# Altium PCB Lora_receiver.PcbDoc
Units mil, origin at the board's own origin, x right, y up, seen from the top; angles counter-clockwise.
Board outline 6000 x 4000 mil, 2 copper layers (Top Layer, Bottom Layer); 2 components, 13 nets, 50 pads, 0 vias.
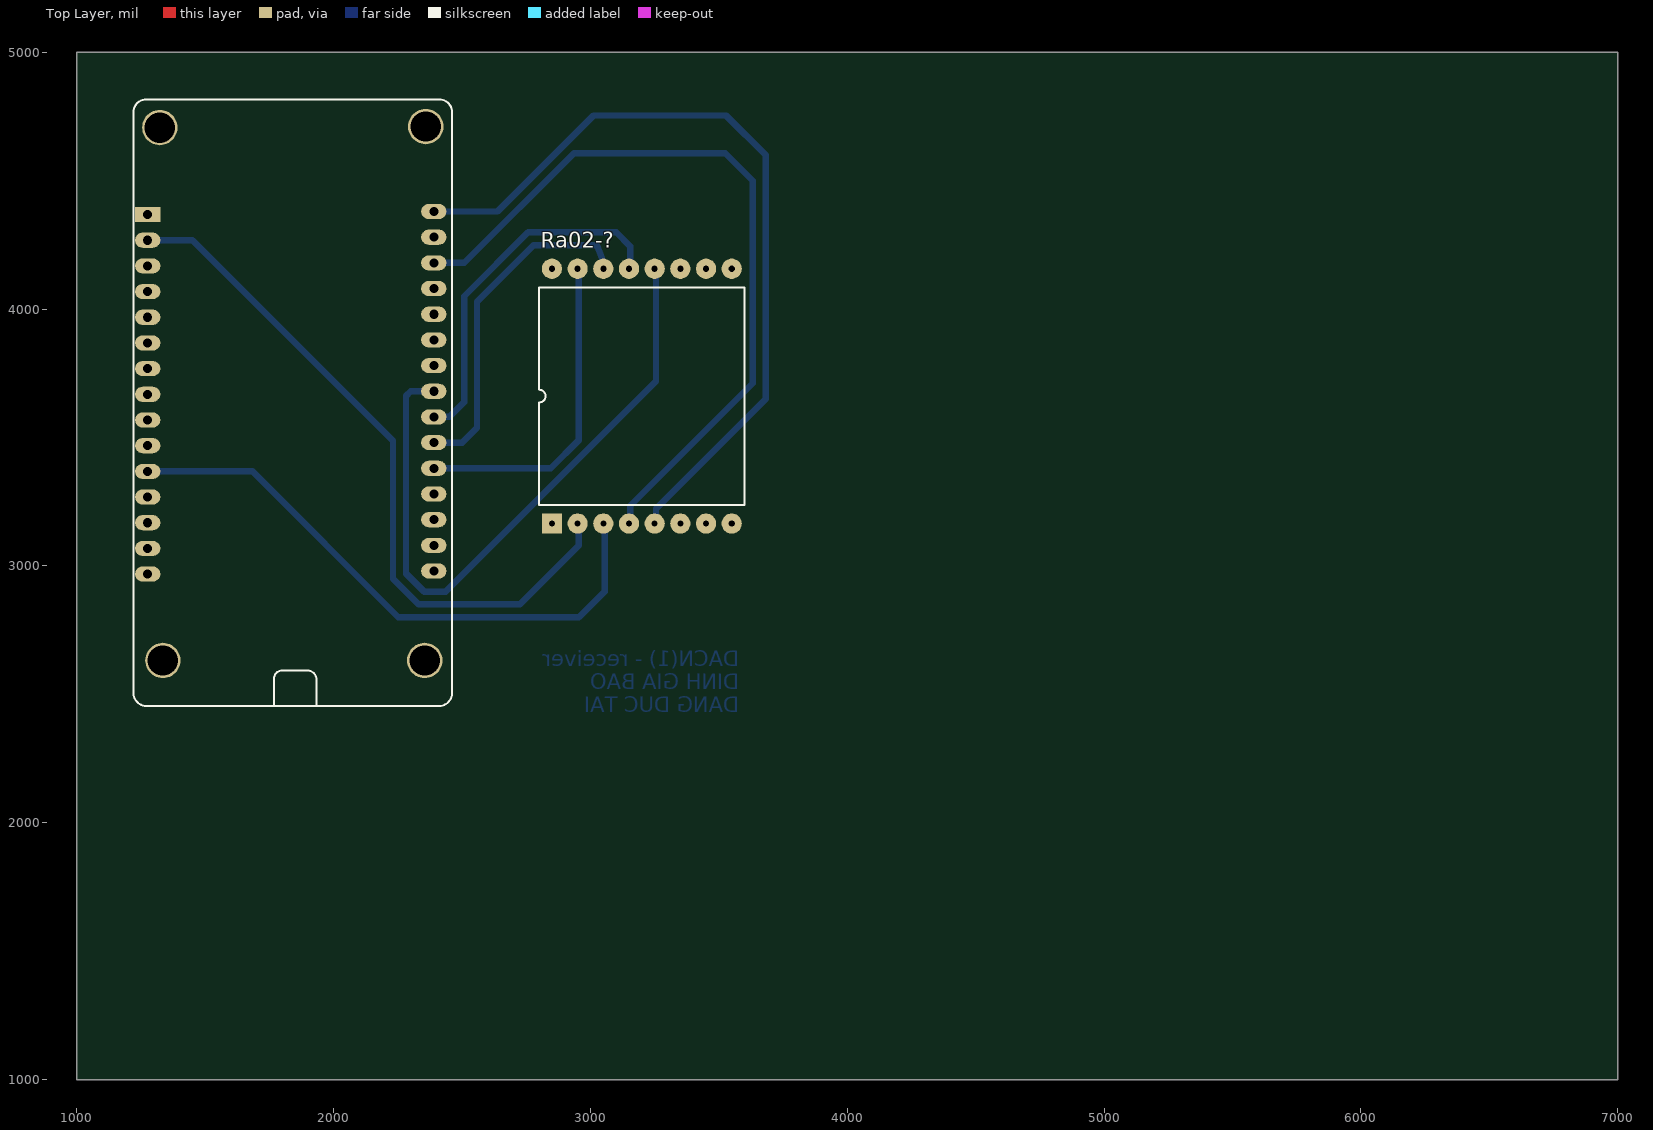
[diagram p0: Top Layer view]
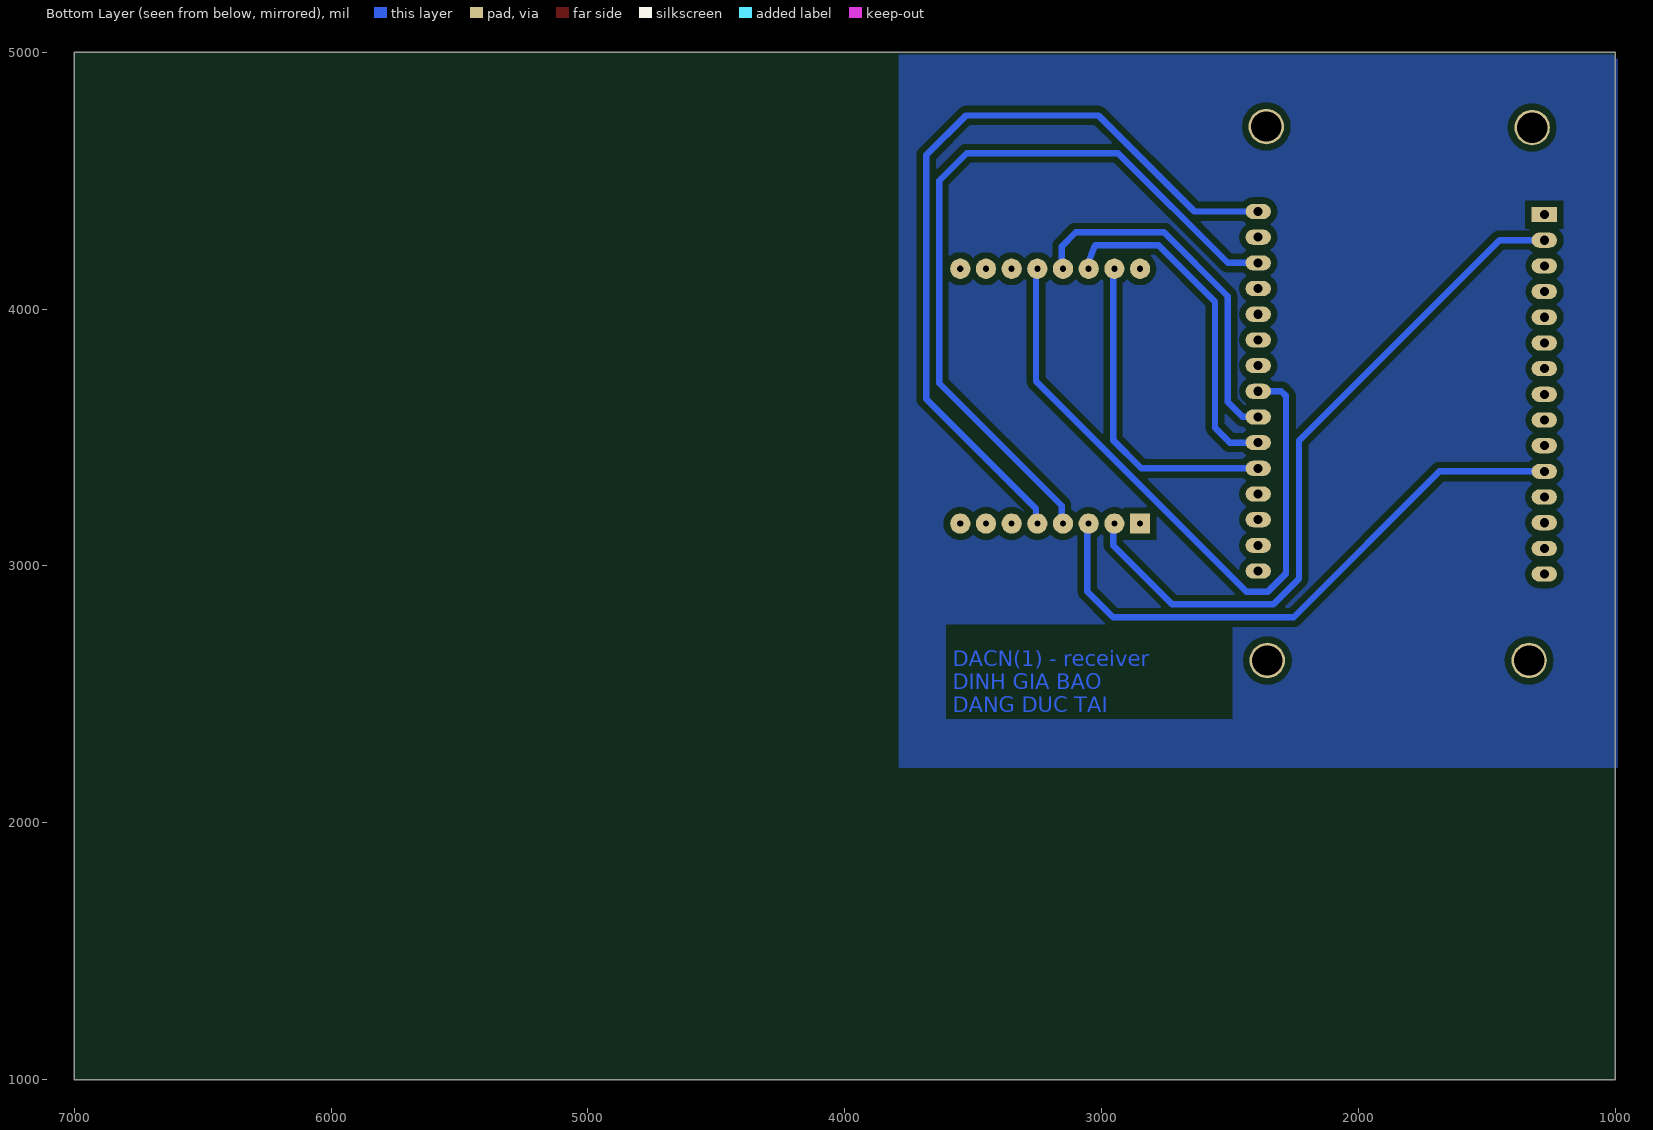
[diagram p1: Bottom Layer view, seen from below]

## Layer stack, top to bottom
Top Solder: solder mask 0.4, Solder Resist, Dk 3.5
Top Layer: signal copper 1.4
Dielectric 1: dielectric 12.6, FR-4, Dk 4.8
Bottom Layer: signal copper 1.4
Bottom Solder: solder mask 0.4, Solder Resist, Dk 3.5

## Board outline
1000,1000 7000,1000 7000,5000 1000,5000

## Design rules (kind name [scope] priority, off if disabled: settings)
Clearance [All] p1: gap=25 ignorepadtopadclearanceinfootprint=FALSE except(0: Arc-Hole Track-Hole SMDPad-Hole THPad-Hole Via-Hole Fill-Hole Poly-Hole Region-Hole Text-Hole)
PolygonConnect [All] p1: connectstyle=Relief reliefconductorwidth=10 reliefentries=4 polygonreliefangle="90 Angle" airgapwidth=10
RoutingLayers [All] p1: top layer_v5=FALSE bottom layer_v5=TRUE
RoutingVias [All] p1: holewidth=28 width=50 viastyle="Through Hole" minholewidth=28 minwidth=50 maxholewidth=28 maxwidth=50
SolderMaskExpansion [All] p1: expansion=4
Width [All] p1: maxlimit=25 minlimit=25 preferedwidth=25 minimp=50.000000 maximp=50.000000 favimp=50.000000
29 further rules are at their usual default settings.

## Components (designator, comment, footprint, x,y, rotation, side; value= is the part's Value field where it differs from the comment)
Ra02-? "antran" "Module LoRa Ra02" 2850,3165 r90 top
? "ESP8266 NODE MCU" "ESP8266 NodeMCU" 1275.83,4368.19 r0 top

## Footprints (in the part's own frame and the unit in brackets; to place one, negate y for a bottom-side part, rotate by r counter-clockwise, add the part's x,y. Pads: shape width x height; smd on the part's side, far side on the other; paste and mask are expansions set on the pad)
"ESP8266 NodeMCU" [mm]
  round 3.5 hole 3: 0(1.2,8.6) 0(1.5,-44.1) 0(27.4,-44.1) 0(27.5,8.7)
  rect 2.5x1.5 hole 0.9: 1(0,0)
  oval 2.5x1.5 hole 0.9: 2(0,-2.54) 3(0,-5.08) 4(0,-7.62) 5(0,-10.16) 6(0,-12.7) 7(0,-15.24) 8(0,-17.78) 9(0,-20.32) 10(0,-22.86) 11(0,-25.4) 12(0,-27.94) 13(0,-30.48) 14(0,-33.02) 15(0,-35.56) 16(28.3,-35.26) 17(28.3,-32.72) 18(28.3,-30.18) 19(28.3,-27.64) 20(28.3,-25.1) 21(28.3,-22.56) 22(28.3,-20.02) 23(28.3,-17.48) 24(28.3,-14.94) 25(28.3,-12.4) 26(28.3,-9.86) 27(28.3,-7.32) 28(28.3,-4.78) 29(28.3,-2.24) 30(28.3,0.3)
  silkscreen extent -1.4,-48.6 30.1,11.4, body extent -1.4,-48.59 30.1,11.39, height 4.6
"Module LoRa Ra02" [mm]
  rect 2x2 hole 0.6: 1(0,0)
  round 2 hole 0.6: 2(0,-2.54) 3(0,-5.08) 4(0,-7.62) 5(0,-10.16) 6(0,-12.7) 7(0,-15.24) 8(0,-17.78) 9(25.2,-17.78) 10(25.2,-15.24) 11(25.2,-12.7) 12(25.2,-10.16) 13(25.2,-7.62) 14(25.2,-5.08) 15(25.2,-2.54) 16(25.2,0)
  silkscreen extent 1.83,-19.05 23.37,1.27, body extent -1.4,-19.22 26.5,1.18, height 4.7

## Part data
Ra02-?: library part "Module LoRa Ra02"
?: library part "ESP8266 NodeMCU", "LUA-ESP8266 Wifi Module Techmt.vn"

## Nets (pads, with @x,y where several pads share a name; then routed paths per layer and width w, separated by ;. In a path a pad name is that pad's centre, name@x,y a point inside that pad or via, vN(x,y) a via of type N, cw(c..) or ccw(c..) an arc to the next point about the centre after c; other vN are vias at no path point)
3V3: ?.11 Ra02-?.3 | length 2335.9
  Bottom Layer w25: ?.11 1683.81,3368.19 2252,2800 2955,2800 3055,2900 Ra02-?.3@3055,3180
A0: 
D5: 
D7: 
DIO: ?.30 Ra02-?.5 | length 3107.6
  Bottom Layer w25: ?.30 2638,4380 3012,4754 3528,4754 3682,4600 3682,3650 3255,3223 Ra02-?.5@3255,3180
GND: ?.2 Ra02-?.2 | length 2775.8
  Bottom Layer w25: ?.2 1450,4268.19 2231,3487.19 2231,2950.29 2331.29,2850 2724,2850 2955,3081 Ra02-?.2@2955,3180
MISO: ?.22 Ra02-?.13 | length 1398.8
  Bottom Layer w25: ?.22 2450,3580 2508,3638 2508,4050 2757,4299 3100,4299 3155,4244 Ra02-?.13@3155,4172.13
MOSI: ?.21 Ra02-?.14 | length 1323.7
  Bottom Layer w25: ?.21 2500,3480 2558,3538 2558,4029 2778,4249 3025,4249 Ra02-?.14@3055,4172.13
NSS: ?.20 Ra02-?.15 | length 1292.7
  Bottom Layer w25: ?.20 2845,3380 2955,3490 Ra02-?.15@2955,4172.13
RST: ?.28 Ra02-?.4 | length 2980.8
  Bottom Layer w25: ?.28 2509,4180 2936,4607 3525,4607 3632,4500 3632,3711 3155,3234 Ra02-?.4@3155,3180
SCK: ?.23 Ra02-?.12 | length 2602
  Bottom Layer w25: ?.23 2300,3680 2281.79,3661.79 2281.79,2970.21 2352,2900 2436,2900 3255,3719 Ra02-?.12@3255,4172.13
SCL: 
SDA: 
pads on no net: ?.0 ?.1 ?.3 ?.4 ?.5 ?.6 ?.7 ?.8 ?.9 ?.10 ?.12 ?.13 ?.14 ?.15 ?.16 ?.17 ?.18 ?.19 ?.24 ?.25 ?.26 ?.27 ?.29 Ra02-?.1 Ra02-?.6 Ra02-?.7 Ra02-?.8 Ra02-?.9 Ra02-?.10 Ra02-?.11 Ra02-?.16

## Polygon pours and split planes (outlines as drawn)
no net on Bottom Layer "Bottom Layer-No Net 5" (solid, pour order 18): 2930,5250
no net on Bottom Layer "Bottom Layer-No Net 6" (solid, pour order 16): 1010,4995 1015,4990 3790,4990 3790,2220 3795,2215 990,2215 990,4970 1010,4990

## Other copper
Bottom Layer:
  text "DACN(1) - receiver / DINH GIA BAO  / DANG DUC TAI" at 3580,2430 h60